# Allegro board Learn.brd (continued)
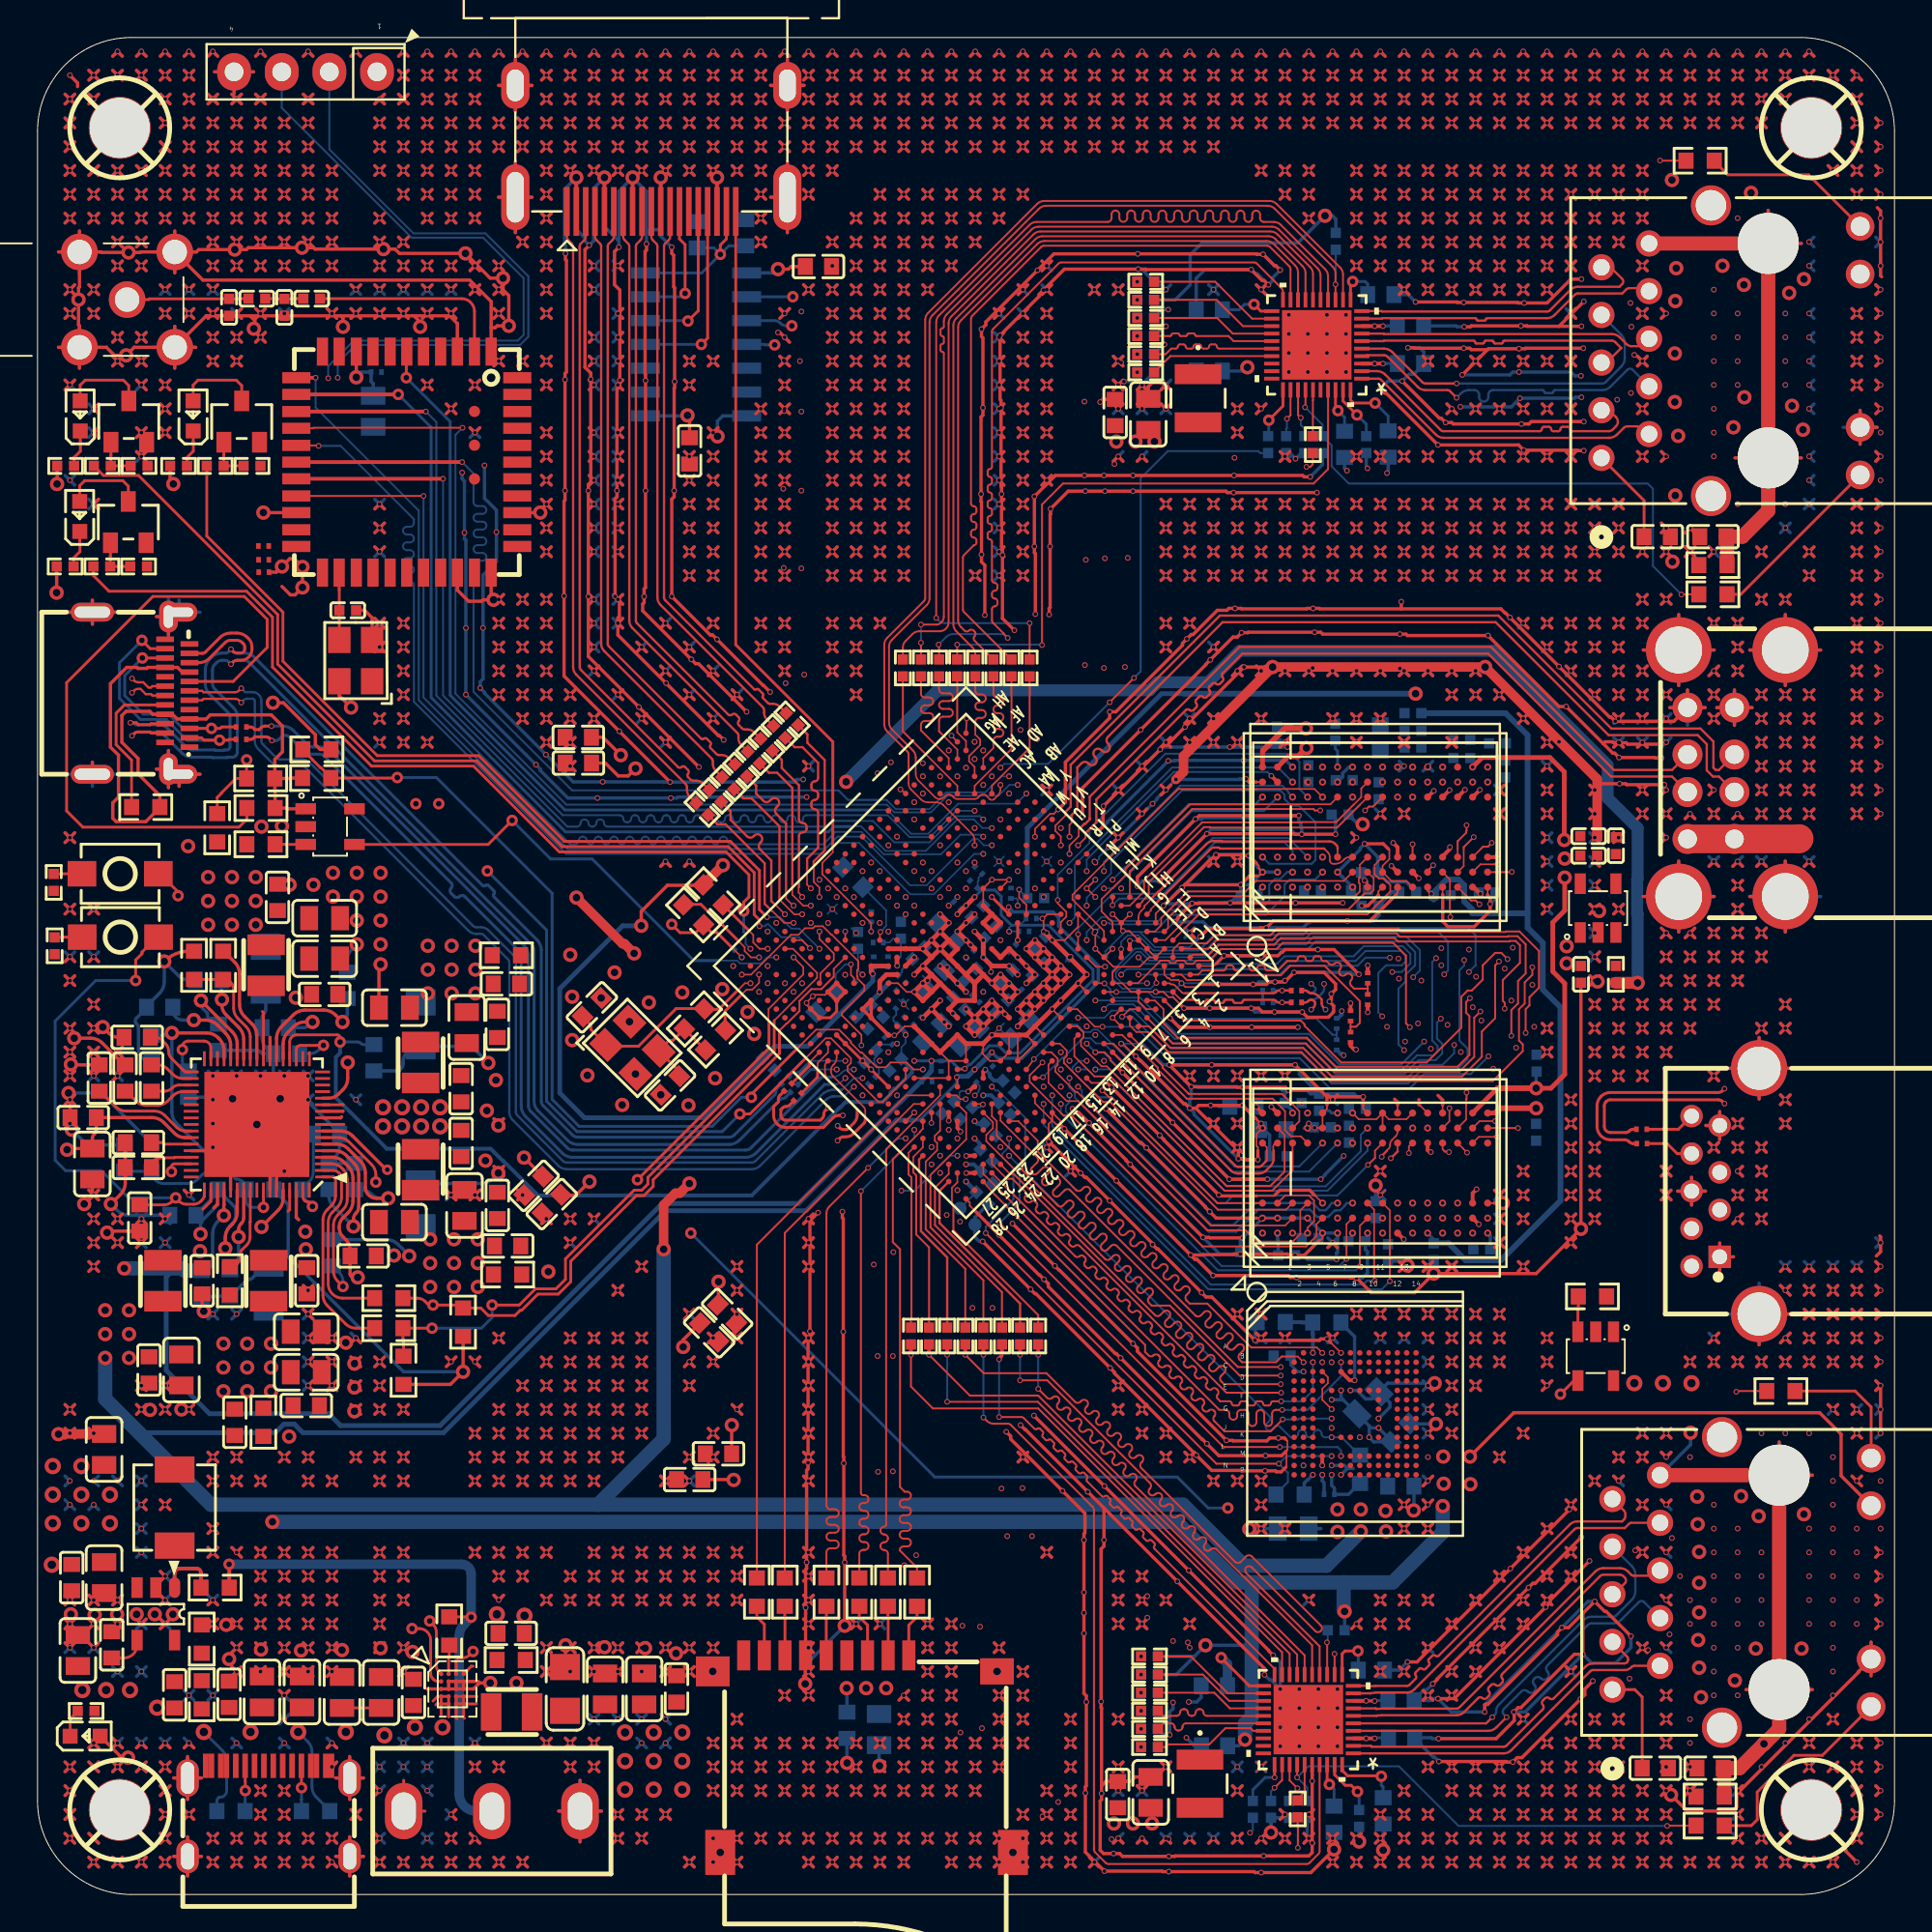
[diagram p0: board, top side]
## Routing (per net, layer and track width the routed paths; a pad name or vN(x,y) marks a point on that pad's centre or on a via; arc(x,y) is an arc through that point) (continued)
; v1(69.03,65.22) 68.78,64.97 ; v1(69.03,65.22) 69.29,65.48 ; v1(81.73,89.35) 81.99,89.61 ; v1(81.73,89.35) 81.99,89.1 ; v1(81.73,89.35) 81.48,89.1 ; v1(81.73,89.35) 81.48,89.61 ; 70.05,70.05 v1(70.3,70.3) ; v1(70.3,70.3) 70.56,70.05 ; v1(70.3,70.3) 70.56,70.56 ; v1(70.3,70.3) 70.05,70.56 ; 11.63,92.91 v1(11.88,93.16) ; v1(11.88,93.16) 11.63,93.42 ; v1(11.88,93.16) 12.14,92.91 ; v1(11.88,93.16) 12.14,93.42 ; v1(33.47,93.16) 33.73,92.91 ; v1(33.47,93.16) 33.73,93.42 ; v1(33.47,93.16) 33.22,93.42 ; v1(33.47,93.16) 33.22,92.91 ; v1(95.7,30.93) 95.96,30.68 ; v1(95.7,30.93) 95.45,31.19 ; v1(95.7,30.93) 95.45,30.68 ; v1(95.7,30.93) 95.96,31.19 ; 35.76,93.42 v1(36.01,93.16) ; v1(36.01,93.16) 36.27,93.42 ; v1(36.01,93.16) 36.27,92.91 ; v1(36.01,93.16) 35.76,92.91 ; 34.49,71.83 v1(34.74,71.57) ; v1(34.74,71.57) 34.49,71.32 ; v1(34.74,71.57) 35,71.32 ; v1(34.74,71.57) 35,71.83 ; v1(84.27,6.8) 84.53,6.55 ; v1(84.27,6.8) 84.02,7.06 ; v1(84.27,6.8) 84.02,6.55 ; v1(84.27,6.8) 84.53,7.06 ; v1(65.22,96.97) 65.48,96.72 ; v1(65.22,96.97) 64.97,96.72 ; v1(65.22,96.97) 64.97,97.23 ; v1(65.22,96.97) 65.48,97.23 ; 17.98,23.06 v1(18.23,23.31) ; v1(18.23,23.31) 18.49,23.57 ; v1(18.23,23.31) 18.49,23.06 ; v1(18.23,23.31) 17.98,23.57 ; v1(1.72,89.35) 1.98,89.1 ; v1(1.72,89.35) 1.47,89.61 ; v1(1.72,89.35) 1.47,89.1 ; v1(1.72,89.35) 1.98,89.61 ; v1(67.76,91.89) 68.02,91.64 ; v1(67.76,91.89) 67.51,91.64 ; v1(67.76,91.89) 68.02,92.15 ; v1(67.76,91.89) 67.51,92.15 ; 39.57,71.32 v1(39.82,71.57) ; v1(39.82,71.57) 40.08,71.83 ; v1(39.82,71.57) 40.08,71.32 ; v1(39.82,71.57) 39.57,71.83 ; v1(60.14,23.31) 60.4,23.06 ; v1(60.14,23.31) 59.89,23.57 ; v1(60.14,23.31) 60.4,23.57 ; v1(60.14,23.31) 59.89,23.06 ; 57.35,15.44 v1(57.6,15.69) ; v1(57.6,15.69) 57.86,15.44 ; v1(57.6,15.69) 57.86,15.95 ; v1(57.6,15.69) 57.35,15.95 ; 85.29,95.96 v1(85.54,95.7) ; v1(85.54,95.7) 85.8,95.45 ; v1(85.54,95.7) 85.29,95.45 ; v1(85.54,95.7) 85.8,95.96 ; 12.9,86.56 v1(13.15,86.81) ; v1(13.15,86.81) 13.41,86.56 ; v1(13.15,86.81) 13.41,87.07 ; v1(13.15,86.81) 12.9,87.07 ; 34.49,75.13 v1(34.74,75.38) ; v1(34.74,75.38) 34.49,75.64 ; v1(34.74,75.38) 35,75.13 ; v1(34.74,75.38) 35,75.64 ; 82.75,4.01 v1(83,4.26) ; v1(83,4.26) 83.26,4.01 ; v1(83,4.26) 83.26,4.52 ; v1(83,4.26) 82.75,4.52 ; v1(80.46,96.97) 80.72,96.72 ; v1(80.46,96.97) 80.21,97.23 ; v1(80.46,96.97) 80.21,96.72 ; v1(80.46,96.97) 80.72,97.23 ; 17.98,71.83 v1(18.23,71.57) 18.49,71.83 ; v1(4.26,1.72) 4.52,1.98 ; v1(4.26,1.72) 4.01,1.98 ; v1(4.26,1.72) 4.01,1.47 ; v1(4.26,1.72) 4.52,1.47 ; 26.87,62.43 v1(27.12,62.68) ; v1(27.12,62.68) 27.38,62.94 ; v1(27.12,62.68) 26.87,62.94 ; v1(27.12,62.68) 27.38,62.43 ; v1(42.36,88.08) 42.62,88.34 ; v1(42.36,88.08) 42.11,87.83 ; v1(42.36,88.08) 42.62,87.83 ; v1(42.36,88.08) 42.11,88.34 ; v1(80.46,16.96) 80.72,16.71 ; v1(80.46,16.96) 80.21,16.71 ; v1(80.46,16.96) 80.72,17.22 ; v1(80.46,16.96) 80.21,17.22 ; 70.05,31.19 v1(70.3,30.93) ; v1(70.3,30.93) 70.56,31.19 ; v1(70.3,30.93) 70.05,30.68 ; v1(70.3,30.93) 70.56,30.68 ; v1(23.31,24.58) 23.57,24.33 ; v1(23.31,24.58) 23.06,24.33 ; v1(23.31,24.58) 23.06,24.84 ; v1(23.31,24.58) 23.57,24.84 ; 77.67,72.59 v1(77.92,72.84) ; v1(77.92,72.84) 77.67,73.1 ; v1(77.92,72.84) 78.18,73.1 ; v1(77.92,72.84) 78.18,72.59 ; 86.56,48.46 v1(86.81,48.71) ; v1(86.81,48.71) 87.07,48.46 ; v1(86.81,48.71) 87.07,48.97 ; v1(86.81,48.71) 86.56,48.97 ; v1(38.55,96.97) 38.81,96.72 ; v1(38.55,96.97) 38.81,97.23 ; v1(38.55,96.97) 38.3,96.72 ; v1(38.55,96.97) 38.3,97.23 ; 51,97.23 v1(51.25,96.97) ; v1(51.25,96.97) 51,96.72 ; v1(51.25,96.97) 51.51,97.23 ; v1(51.25,96.97) 51.51,96.72 ; v1(94.43,60.14) 94.69,60.4 ; v1(94.43,60.14) 94.18,59.89 ; v1(94.43,60.14) 94.18,60.4 ; v1(94.43,60.14) 94.69,59.89 ; v1(9.34,23.31) 9.6,23.06 ; v1(9.34,23.31) 9.09,23.06 ; v1(9.34,23.31) 9.09,23.57 ; v1(9.34,23.31) 9.6,23.57 ; v1(18.23,16.96) 18.49,16.71 ; v1(18.23,16.96) 17.98,17.22 ; v1(18.23,16.96) 18.49,17.22 ; v1(18.23,16.96) 17.98,16.71 ; 38.3,66.75 v1(38.55,66.49) ; v1(38.55,66.49) 38.81,66.24 ; v1(38.55,66.49) 38.81,66.75 ; v1(38.55,66.49) 38.3,66.24 ; v1(41.09,2.99) 41.35,2.74 ; v1(41.09,2.99) 40.84,2.74 ; v1(41.09,2.99) 41.35,3.25 ; v1(41.09,2.99) 40.84,3.25 ; v1(46.17,77.92) 46.43,77.67 ; v1(46.17,77.92) 45.92,77.67 ; v1(46.17,77.92) 46.43,78.18 ; v1(46.17,77.92) 45.92,78.18 ; v1(83,37.28) 83.26,37.54 ; v1(83,37.28) 82.75,37.03 ; v1(83,37.28) 83.26,37.03 ; v1(83,37.28) 82.75,37.54 ; 89.1,59.13 v1(89.35,58.87) 89.1,58.62 ; 5.28,6.55 v1(5.53,6.8) ; v1(5.53,6.8) 5.28,7.06 ; v1(5.53,6.8) 5.79,6.55 ; v1(5.53,6.8) 5.79,7.06 ; 45.92,97.23 v1(46.17,96.97) ; v1(46.17,96.97) 45.92,96.72 ; v1(46.17,96.97) 46.43,97.23 ; v1(46.17,96.97) 46.43,96.72 ; 2.74,52.78 v1(2.99,52.52) ; v1(2.99,52.52) 3.25,52.27 ; v1(2.99,52.52) 3.25,52.78 ; v1(2.99,52.52) 2.74,52.27 ; v1(89.35,94.43) 89.61,94.69 ; v1(89.35,94.43) 89.1,94.69 ; v1(89.35,94.43) 89.61,94.18 ; v1(89.35,94.43) 89.1,94.18 ; 24.33,85.29 v1(24.58,85.54) ; v1(24.58,85.54) 24.33,85.8 ; v1(24.58,85.54) 24.84,85.29 ; v1(24.58,85.54) 24.84,85.8 ; 58.62,80.21 v1(58.87,80.46) 59.13,80.21 ; 94.18,1.98 v1(94.43,1.72) ; v1(94.43,1.72) 94.18,1.47 ; v1(94.43,1.72) 94.69,1.47 ; v1(94.43,1.72) 94.69,1.98 ; v1(72.84,74.11) 73.1,74.37 ; v1(72.84,74.11) 72.59,73.86 ; v1(72.84,74.11) 72.59,74.37 ; v1(72.84,74.11) 73.1,73.86 ; 89.1,50.24 v1(89.35,49.98) ; v1(89.35,49.98) 89.61,50.24 ; v1(89.35,49.98) 89.61,49.73 ; v1(89.35,49.98) 89.1,49.73 ; v1(81.66,20.52) v1(78.51,17.37) 73.53,12.4 v1(73.03,12.4) ; 17.98,13.41 v1(18.23,13.15) ; v1(18.23,13.15) 17.98,12.9 ; v1(18.23,13.15) 18.49,12.9 ; v1(18.23,13.15) 18.49,13.41 ; v1(46.17,85.54) 46.43,85.8 ; v1(46.17,85.54) 45.92,85.8 ; v1(46.17,85.54) 45.92,85.29 ; v1(46.17,85.54) 46.43,85.29 ; 20.52,94.69 v1(20.77,94.43) ; v1(20.77,94.43) 21.03,94.69 ; v1(20.77,94.43) 20.52,94.18 ; v1(20.77,94.43) 21.03,94.18 ; v1(34.74,74.11) 35,74.37 ; v1(34.74,74.11) 34.49,73.86 ; v1(34.74,74.11) 34.49,74.37 ; v1(34.74,74.11) 35,73.86 ; 40.08,97.99 v1(39.82,98.24) 39.57,97.99 ; v1(89.35,95.7) 89.61,95.45 ; v1(89.35,95.7) 89.61,95.96 ; v1(89.35,95.7) 89.1,95.96 ; v1(89.35,95.7) 89.1,95.45 ; 87.48,51.31 U19.11 ; U19.11 87.48,55.09 ; U19.11 89.37,53.2 ; U19.11 85.59,53.2 ; 35.76,70.05 v1(36.01,70.3) ; v1(36.01,70.3) 36.27,70.05 ; v1(36.01,70.3) 36.27,70.56 ; v1(36.01,70.3) 35.76,70.56 ; 97.99,5.79 v1(98.24,5.53) 97.99,5.28 ; v1(37.28,8.07) 37.54,7.82 ; v1(37.28,8.07) 37.03,8.33 ; v1(37.28,8.07) 37.54,8.33 ; v1(37.28,8.07) 37.03,7.82 ; v1(22.04,2.99) 22.3,2.74 ; v1(22.04,2.99) 22.3,3.25 ; v1(22.04,2.99) 21.79,3.25 ; v1(22.04,2.99) 21.79,2.74 ; v1(43.63,75.38) 43.89,75.13 ; v1(43.63,75.38) 43.89,75.64 ; v1(43.63,75.38) 43.38,75.64 ; v1(43.63,75.38) 43.38,75.13 ; v1(93.16,69.03) 93.42,68.78 ; v1(93.16,69.03) 92.91,69.29 ; v1(93.16,69.03) 92.91,68.78 ; v1(93.16,69.03) 93.42,69.29 ; v1(80.46,86.81) 80.72,86.56 ; v1(80.46,86.81) 80.72,87.07 ; v1(80.46,86.81) 80.21,87.07 ; v1(80.46,86.81) 80.21,86.56 ; 48.46,14.68 v1(48.71,14.42) ; v1(48.71,14.42) 48.97,14.17 ; v1(48.71,14.42) 48.46,14.17 ; v1(48.71,14.42) 48.97,14.68 ; 85.29,90.88 v1(85.54,90.62) ; v1(85.54,90.62) 85.8,90.88 ; v1(85.54,90.62) 85.8,90.37 ; v1(85.54,90.62) 85.29,90.37 ; 77.67,6.55 v1(77.92,6.8) ; v1(77.92,6.8) 78.18,7.06 ; v1(77.92,6.8) 78.18,6.55 ; v1(77.92,6.8) 77.67,7.06 ; 34.49,23.06 v1(34.74,23.31) ; v1(34.74,23.31) 35,23.57 ; v1(34.74,23.31) 35,23.06 ; v1(34.74,23.31) 34.49,23.57 ; 91.27,66.34 U19.9 ; U19.9 93.16,64.45 ; U19.9 95.05,66.34 ; U19.9 93.16,68.23 ; U1.4 16.64,3.07 ; U1.4 15.9,2.03 ; U1.4 16.64,0.99 ; U1.4 17.38,2.03 ; 96.72,70.56 v1(96.97,70.3) ; v1(96.97,70.3) 97.23,70.56 ; v1(96.97,70.3) 97.23,70.05 ; v1(96.97,70.3) 96.72,70.05 ; 84.02,5.28 v1(84.27,5.53) ; v1(84.27,5.53) 84.02,5.79 ; v1(84.27,5.53) 84.53,5.79 ; v1(84.27,5.53) 84.53,5.28 ; 39.57,5.28 v1(39.82,5.53) ; v1(39.82,5.53) 40.08,5.28 ; v1(39.82,5.53) 40.08,5.79 ; v1(39.82,5.53) 39.57,5.79 ; 42.11,91.64 v1(42.36,91.89) ; v1(42.36,91.89) 42.62,92.15 ; v1(42.36,91.89) 42.11,92.15 ; v1(42.36,91.89) 42.62,91.64 ; 80.21,1.47 v1(80.46,1.72) ; v1(80.46,1.72) 80.72,1.47 ; v1(80.46,1.72) 80.21,1.98 ; v1(80.46,1.72) 80.72,1.98 ; 85.29,46.43 v1(85.54,46.17) ; v1(85.54,46.17) 85.8,45.92 ; v1(85.54,46.17) 85.29,45.92 ; v1(85.54,46.17) 85.8,46.43 ; v1(88.08,96.97) 88.34,96.72 ; v1(88.08,96.97) 88.34,97.23 ; v1(88.08,96.97) 87.83,96.72 ; v1(88.08,96.97) 87.83,97.23 ; v1(86.81,9.34) 87.07,9.09 ; v1(86.81,9.34) 86.56,9.6 ; v1(86.81,9.34) 87.07,9.6 ; v1(86.81,9.34) 86.56,9.09 ; v1(44.9,89.35) 45.16,89.61 ; v1(44.9,89.35) 44.65,89.61 ; v1(44.9,89.35) 44.65,89.1 ; v1(44.9,89.35) 45.16,89.1 ; v1(23.31,91.89) 23.57,91.64 ; v1(23.31,91.89) 23.06,91.64 ; v1(23.31,91.89) 23.06,92.15 ; v1(23.31,91.89) 23.57,92.15 ; v1(72.84,72.84) 73.1,73.1 ; v1(72.84,72.84) 73.1,72.59 ; v1(72.84,72.84) 72.59,73.1 ; v1(72.84,72.84) 72.59,72.59 ; 77.67,29.41 v1(77.92,29.66) ; v1(77.92,29.66) 78.18,29.92 ; v1(77.92,29.66) 78.18,29.41 ; v1(77.92,29.66) 77.67,29.92 ; v1(39.82,75.38) 40.08,75.64 ; v1(39.82,75.38) 40.08,75.13 ; v1(39.82,75.38) 39.57,75.64 ; v1(39.82,75.38) 39.57,75.13 ; 91.64,68.78 v1(91.89,69.03) ; v1(91.89,69.03) 92.15,69.29 ; v1(91.89,69.03) 91.64,69.29 ; v1(91.89,69.03) 92.15,68.78 ; v1(36.01,65.22) 36.27,64.97 ; v1(36.01,65.22) 35.76,65.48 ; v1(36.01,65.22) 35.76,64.97 ; 15.44,14.17 v1(15.69,14.42) ; v1(15.69,14.42) 15.95,14.68 ; v1(15.69,14.42) 15.44,14.68 ; v1(15.69,14.42) 15.95,14.17 ; 52.27,82.75 v1(52.52,83) ; v1(52.52,83) 52.78,83.26 ; v1(52.52,83) 52.78,82.75 ; v1(52.52,83) 52.27,83.26 ; 33.22,12.9 v1(33.47,13.15) ; v1(33.47,13.15) 33.73,13.41 ; v1(33.47,13.15) 33.22,13.41 ; v1(33.47,13.15) 33.73,12.9 ; 31.95,13.41 v1(32.2,13.15) ; v1(32.2,13.15) 32.46,12.9 ; v1(32.2,13.15) 31.95,12.9 ; v1(32.2,13.15) 32.46,13.41 ; v1(77.92,14.42) 78.18,14.17 ; v1(77.92,14.42) 78.18,14.68 ; v1(77.92,14.42) 77.67,14.68 ; v1(77.92,14.42) 77.67,14.17 ; 42.11,2.74 v1(42.36,2.99) ; v1(42.36,2.99) 42.62,2.74 ; v1(42.36,2.99) 42.62,3.25 ; v1(42.36,2.99) 42.11,3.25 ; 80.21,95.96 v1(80.46,95.7) ; v1(80.46,95.7) 80.21,95.45 ; v1(80.46,95.7) 80.72,95.96 ; v1(80.46,95.7) 80.72,95.45 ; 84.53,61.16 v1(84.27,61.41) 84.02,61.16 ; v1(61.41,96.97) 61.67,97.23 ; v1(61.41,96.97) 61.67,96.72 ; v1(61.41,96.97) 61.16,96.72 ; v1(61.41,96.97) 61.16,97.23 ; 40.84,26.87 v1(41.09,27.12) ; v1(41.09,27.12) 41.35,26.87 ; v1(41.09,27.12) 40.84,27.38 ; v1(41.09,27.12) 41.35,27.38 ; 40.84,28.65 v1(41.09,28.39) ; v1(41.09,28.39) 40.84,28.14 ; v1(41.09,28.39) 41.35,28.14 ; v1(41.09,28.39) 41.35,28.65 ; 19.25,12.9 v1(19.5,13.15) ; v1(19.5,13.15) 19.76,12.9 ; v1(19.5,13.15) 19.76,13.41 ; v1(19.5,13.15) 19.25,13.41 ; v1(84.27,23.31) 84.53,23.06 ; v1(84.27,23.31) 84.53,23.57 ; v1(84.27,23.31) 84.02,23.57 ; v1(84.27,23.31) 84.02,23.06 ; 48.46,90.88 v1(48.71,90.62) ; v1(48.71,90.62) 48.97,90.37 ; v1(48.71,90.62) 48.97,90.88 ; v1(48.71,90.62) 48.46,90.37 ; v1(23.31,28.39) 23.57,28.65 ; v1(23.31,28.39) 23.57,28.14 ; v1(23.31,28.39) 23.06,28.65 ; 49.73,97.99 v1(49.98,98.24) 50.24,97.99 ; v1(91.89,94.43) 92.15,94.69 ; v1(91.89,94.43) 91.64,94.18 ; v1(91.89,94.43) 91.64,94.69 ; v1(91.89,94.43) 92.15,94.18 ; v1(6.8,27.12) 7.06,27.38 ; v1(6.8,27.12) 6.55,26.87 ; v1(6.8,27.12) 7.06,26.87 ; v1(6.8,27.12) 6.55,27.38 ; v1(46.17,10.61) 46.43,10.36 ; v1(46.17,10.61) 45.92,10.36 ; v1(46.17,10.61) 46.43,10.87 ; 57.35,85.8 v1(57.6,85.54) ; v1(57.6,85.54) 57.86,85.29 ; v1(57.6,85.54) 57.86,85.8 ; v1(57.6,85.54) 57.35,85.29 ; 52.27,10.36 v1(52.52,10.61) ; v1(52.52,10.61) 52.78,10.87 ; v1(52.52,10.61) 52.27,10.87 ; v1(52.52,10.61) 52.78,10.36 ; 90.37,37.03 v1(90.62,37.28) ; v1(90.62,37.28) 90.88,37.54 ; v1(90.62,37.28) 90.88,37.03 ; v1(90.62,37.28) 90.37,37.54 ; v1(18.23,95.7) 18.49,95.96 ; v1(18.23,95.7) 17.98,95.45 ; v1(18.23,95.7) 18.49,95.45 ; 17.98,61.67 v1(18.23,61.41) ; v1(18.23,61.41) 18.49,61.67 ; v1(18.23,61.41) 18.49,61.16 ; 83.26,56.59 v1(83,56.33) 83.26,56.08 ; v1(41.09,94.43) 41.35,94.18 ; v1(41.09,94.43) 41.35,94.69 ; v1(41.09,94.43) 40.84,94.18 ; v1(41.09,94.43) 40.84,94.69 ; v1(2.99,89.35) 3.25,89.1 ; v1(2.99,89.35) 3.25,89.61 ; v1(2.99,89.35) 2.74,89.61 ; v1(2.99,89.35) 2.74,89.1 ; v1(80.46,2.99) 80.72,2.74 ; v1(80.46,2.99) 80.72,3.25 ; v1(80.46,2.99) 80.21,3.25 ; v1(80.46,2.99) 80.21,2.74 ; v1(65.22,72.84) 65.48,73.1 ; v1(65.22,72.84) 65.48,72.59 ; v1(65.22,72.84) 64.97,72.59 ; v1(65.22,72.84) 64.97,73.1 ; 34.49,94.18 v1(34.74,94.43) ; v1(34.74,94.43) 34.49,94.69 ; v1(34.74,94.43) 35,94.69 ; v1(34.74,94.43) 35,94.18 ; 48.46,93.42 v1(48.71,93.16) ; v1(48.71,93.16) 48.97,93.42 ; v1(48.71,93.16) 48.97,92.91 ; v1(48.71,93.16) 48.46,92.91 ; v1(28.39,61.41) 28.65,61.16 ; v1(28.39,61.41) 28.14,61.67 ; v1(28.39,61.41) 28.14,61.16 ; v1(28.39,61.41) 28.65,61.67 ; 84.02,95.45 v1(84.27,95.7) ; v1(84.27,95.7) 84.02,95.96 ; v1(84.27,95.7) 84.53,95.96 ; v1(84.27,95.7) 84.53,95.45 ; 67.51,94.18 v1(67.76,94.43) ; v1(67.76,94.43) 68.02,94.18 ; v1(67.76,94.43) 67.51,94.69 ; v1(67.76,94.43) 68.02,94.69 ; v1(8.07,91.89) 8.33,92.15 ; v1(8.07,91.89) 7.82,92.15 ; v1(8.07,91.89) 8.33,91.64 ; v1(8.07,91.89) 7.82,91.64 ; v1(65.61,85.8) 65.38,86.03 65.27,86.03 v1(64.69,86.61) 59.09,86.61 59.07,86.64 v1(58.67,86.64) 54.74,86.64 v1(53.62,85.52) 53.39,85.29 53.39,85.19 v1(51.31,83.11) 51.31,79.69 51.36,79.64 v1(51.36,79.25) 51.36,75.07 51.38,75.04 v1(51.38,74.65) 51.38,71.84 51.44,71.79 v1(51.44,71.4) 51.44,68.02 v1(52.07,67.39) ; v1(5.53,96.97) 5.79,96.72 ; v1(5.53,96.97) 5.28,96.72 ; v1(5.53,96.97) 5.79,97.23 ; v1(5.53,96.97) 5.28,97.23 ; v1(91.89,62.68) 92.15,62.94 ; v1(91.89,62.68) 91.64,62.43 ; v1(91.89,62.68) 91.64,62.94 ; v1(91.89,62.68) 92.15,62.43 ; 81.48,3.25 v1(81.73,2.99) ; v1(81.73,2.99) 81.99,2.74 ; v1(81.73,2.99) 81.48,2.74 ; v1(81.73,2.99) 81.99,3.25 ; 31.19,80.21 v1(30.93,80.46) 31.19,80.72 ; 57.35,14.17 v1(57.6,14.42) ; v1(57.6,14.42) 57.86,14.68 ; v1(57.6,14.42) 57.86,14.17 ; v1(57.6,14.42) 57.35,14.68 ; v1(96.97,61.41) 97.23,61.67 ; v1(96.97,61.41) 97.23,61.16 ; v1(96.97,61.41) 96.72,61.16 ; v1(96.97,61.41) 96.72,61.67 ; v1(6.8,80.46) 7.06,80.21 ; v1(6.8,80.46) 6.55,80.21 ; v1(6.8,80.46) 7.06,80.72 ; v1(6.8,80.46) 6.55,80.72 ; 53.54,17.98 v1(53.79,18.23) ; v1(53.79,18.23) 54.05,18.49 ; v1(53.79,18.23) 53.54,18.49 ; v1(53.79,18.23) 54.05,17.98 ; 6.55,6.55 v1(6.8,6.8) ; v1(6.8,6.8) 7.06,6.55 ; v1(6.8,6.8) 6.55,7.06 ; v1(6.8,6.8) 7.06,7.06 ; 30.68,16.71 v1(30.93,16.96) ; v1(30.93,16.96) 31.19,17.22 ; v1(30.93,16.96) 31.19,16.71 ; v1(30.93,16.96) 30.68,17.22 ; 47.19,85.8 v1(47.44,85.54) ; v1(47.44,85.54) 47.7,85.8 ; v1(47.44,85.54) 47.7,85.29 ; v1(47.44,85.54) 47.19,85.29 ; 53.54,4.01 v1(53.79,4.26) ; v1(53.79,4.26) 54.05,4.01 ; v1(53.79,4.26) 54.05,4.52 ; v1(53.79,4.26) 53.54,4.52 ; v1(27.12,22.04) 27.38,21.79 ; v1(27.12,22.04) 26.87,22.3 ; v1(27.12,22.04) 26.87,21.79 ; v1(27.12,22.04) 27.38,22.3 ; v1(47.44,95.7) 47.7,95.96 ; v1(47.44,95.7) 47.19,95.45 ; v1(47.44,95.7) 47.7,95.45 ; v1(47.44,95.7) 47.19,95.96 ; 77.67,3.25 v1(77.92,2.99) ; v1(77.92,2.99) 78.18,3.25 ; v1(77.92,2.99) 77.67,2.74 ; v1(77.92,2.99) 78.18,2.74 ; v1(60.14,95.7) 60.4,95.45 ; v1(60.14,95.7) 60.4,95.96 ; v1(60.14,95.7) 59.89,95.45 ; v1(60.14,95.7) 59.89,95.96 ; 80.21,91.64 v1(80.46,91.89) ; v1(80.46,91.89) 80.72,92.15 ; v1(80.46,91.89) 80.72,91.64 ; v1(80.46,91.89) 80.21,92.15 ; 64.97,91.64 v1(65.22,91.89) ; v1(65.22,91.89) 65.48,92.15 ; v1(65.22,91.89) 65.48,91.64 ; v1(65.22,91.89) 64.97,92.15 ; v1(18.23,27.12) 18.49,26.87 ; v1(18.23,27.12) 17.98,26.87 ; v1(18.23,27.12) 18.49,27.38 ; v1(18.23,27.12) 17.98,27.38 ; 96.72,58.62 v1(96.97,58.87) ; v1(96.97,58.87) 96.72,59.13 ; v1(96.97,58.87) 97.23,59.13 ; v1(96.97,58.87) 97.23,58.62 ; v1(27.12,27.12) 27.38,26.87 ; v1(27.12,27.12) 26.87,27.38 ; v1(27.12,27.12) 26.87,26.87 ; v1(27.12,27.12) 27.38,27.38 ; v1(24.58,84.27) 24.84,84.53 ; v1(24.58,84.27) 24.84,84.02 ; v1(24.58,84.27) 24.33,84.02 ; v1(24.58,84.27) 24.33,84.53 ; v1(71.57,74.11) 71.83,74.37 ; v1(71.57,74.11) 71.32,74.37 ; v1(71.57,74.11) 71.32,73.86 ; v1(71.57,74.11) 71.83,73.86 ; v1(81.73,91.89) 81.99,92.15 ; v1(81.73,91.89) 81.99,91.64 ; v1(81.73,91.89) 81.48,91.64 ; v1(81.73,91.89) 81.48,92.15 ; 16.71,29.41 v1(16.96,29.66) 17.22,29.41 ; v1(49.98,94.43) 50.24,94.69 ; v1(49.98,94.43) 50.24,94.18 ; v1(49.98,94.43) 49.73,94.18 ; v1(49.98,94.43) 49.73,94.69 ; 12.9,91.64 v1(13.15,91.89) ; v1(13.15,91.89) 12.9,92.15 ; v1(13.15,91.89) 13.41,92.15 ; v1(13.15,91.89) 13.41,91.64 ; 48.97,97.99 v1(48.71,98.24) 48.46,97.99 ; 11.63,95.96 v1(11.88,95.7) ; v1(11.88,95.7) 12.14,95.45 ; v1(11.88,95.7) 11.63,95.45 ; v1(11.88,95.7) 12.14,95.96 ; 49.73,96.72 v1(49.98,96.97) ; v1(49.98,96.97) 49.73,97.23 ; v1(49.98,96.97) 50.24,97.23 ; v1(49.98,96.97) 50.24,96.72 ; 19.25,66.24 v1(19.5,66.49) ; v1(19.5,66.49) 19.25,66.75 ; v1(19.5,66.49) 19.76,66.75 ; v1(19.5,66.49) 19.76,66.24 ; 23.06,89.61 v1(23.31,89.35) ; v1(23.31,89.35) 23.57,89.61 ; v1(23.31,89.35) 23.06,89.1 ; v1(23.31,89.35) 23.57,89.1 ; 52.27,90.88 v1(52.52,90.62) ; v1(52.52,90.62) 52.78,90.88 ; v1(52.52,90.62) 52.27,90.37 ; v1(52.52,90.62) 52.78,90.37 ; 2.74,96.72 v1(2.99,96.97) ; v1(2.99,96.97) 2.74,97.23 ; v1(2.99,96.97) 3.25,96.72 ; v1(2.99,96.97) 3.25,97.23 ; v1(76.65,86.81) 76.91,87.07 ; v1(76.65,86.81) 76.91,86.56 ; v1(76.65,86.81) 76.4,86.56 ; v1(76.65,86.81) 76.4,87.07 ; 75.13,73.1 v1(75.38,72.84) ; v1(75.38,72.84) 75.64,73.1 ; v1(75.38,72.84) 75.13,72.59 ; v1(75.38,72.84) 75.64,72.59 ; v1(27.12,13.15) 27.38,13.41 ; v1(27.12,13.15) 26.87,13.41 ; v1(27.12,13.15) 27.38,12.9 ; v1(27.12,13.15) 26.87,12.9 ; v1(91.89,58.87) 92.15,59.13 ; v1(91.89,58.87) 91.64,58.62 ; v1(91.89,58.87) 92.15,58.62 ; v1(91.89,58.87) 91.64,59.13 ; 3.25,49.73 v1(2.99,49.98) 2.74,49.73 ; 19.25,1.98 v1(19.5,1.72) ; v1(19.5,1.72) 19.76,1.98 ; v1(19.5,1.72) 19.25,1.47 ; v1(19.5,1.72) 19.76,1.47 ; v1(23.31,90.62) 23.57,90.88 ; v1(23.31,90.62) 23.06,90.37 ; v1(23.31,90.62) 23.06,90.88 ; v1(23.31,90.62) 23.57,90.37 ; v1(95.7,91.89) 95.96,91.64 ; v1(95.7,91.89) 95.45,92.15 ; v1(95.7,91.89) 95.96,92.15 ; v1(95.7,91.89) 95.45,91.64 ; 53.54,78.94 v1(53.79,79.19) ; v1(53.79,79.19) 54.05,78.94 ; v1(53.79,79.19) 54.05,79.45 ; v1(53.79,79.19) 53.54,79.45 ; v1(47.44,89.35) 47.7,89.1 ; v1(47.44,89.35) 47.19,89.1 ; v1(47.44,89.35) 47.7,89.61 ; v1(47.44,89.35) 47.19,89.61 ; v1(61.41,95.7) 61.67,95.96 ; v1(61.41,95.7) 61.67,95.45 ; v1(61.41,95.7) 61.16,95.96 ; v1(61.41,95.7) 61.16,95.45 ; 81.48,1.47 v1(81.73,1.72) ; v1(81.73,1.72) 81.48,1.98 ; v1(81.73,1.72) 81.99,1.47 ; v1(81.73,1.72) 81.99,1.98 ; 81.48,94.18 v1(81.73,94.43) ; v1(81.73,94.43) 81.48,94.69 ; v1(81.73,94.43) 81.99,94.69 ; v1(81.73,94.43) 81.99,94.18 ; 14.17,11.63 v1(14.42,11.88) ; v1(14.42,11.88) 14.68,12.14 ; v1(14.42,11.88) 14.17,12.14 ; v1(14.42,11.88) 14.68,11.63 ; v1(74.11,2.99) 74.37,3.25 ; v1(74.11,2.99) 73.86,2.74 ; v1(74.11,2.99) 73.86,3.25 ; v1(74.11,2.99) 74.37,2.74 ; 52.27,79.45 v1(52.52,79.19) ; v1(52.52,79.19) 52.78,78.94 ; v1(52.52,79.19) 52.78,79.45 ; v1(52.52,79.19) 52.27,78.94 ; v1(43.63,95.7) 43.89,95.45 ; v1(43.63,95.7) 43.38,95.45 ; v1(43.63,95.7) 43.38,95.96 ; v1(43.63,95.7) 43.89,95.96 ; U17.C5 2.92,68.99 ; U17.C5 2.92,67.71 ; U17.C5 4.22,68.35 ; U17.C5 1.63,68.35 ; 8.33,97.99 v1(8.07,98.24) 7.82,97.99 ; v1(94.43,57.6) 94.69,57.86 ; v1(94.43,57.6) 94.18,57.86 ; v1(94.43,57.6) 94.69,57.35 ; v1(94.43,57.6) 94.18,57.35 ; 10.36,14.68 v1(10.61,14.42) ; v1(10.61,14.42) 10.87,14.68 ; v1(10.61,14.42) 10.87,14.17 ; v1(10.61,14.42) 10.36,14.17 ; 26.87,97.23 v1(27.12,96.97) ; v1(27.12,96.97) 26.87,96.72 ; v1(27.12,96.97) 27.38,97.23 ; v1(27.12,96.97) 27.38,96.72 ; v1(47.44,2.99) 47.7,3.25 ; v1(47.44,2.99) 47.19,2.74 ; v1(47.44,2.99) 47.7,2.74 ; v1(47.44,2.99) 47.19,3.25 ; 75.13,78.94 v1(75.38,79.19) ; v1(75.38,79.19) 75.13,79.45 ; v1(75.38,79.19) 75.64,78.94 ; v1(61.41,14.42) 61.67,14.68 ; v1(61.41,14.42) 61.67,14.17 ; v1(61.41,14.42) 61.16,14.17 ; v1(61.41,14.42) 61.16,14.68 ; 76.4,63.7 v1(76.65,63.95) ; v1(76.65,63.95) 76.91,63.7 ; v1(76.65,63.95) 76.4,64.21 ; v1(76.65,63.95) 76.91,64.21 ; v1(9.34,84.27) 9.6,84.02 ; v1(9.34,84.27) 9.09,84.02 ; v1(9.34,84.27) 9.09,84.53 ; v1(9.34,84.27) 9.6,84.53 ; 63.7,61.67 v1(63.95,61.41) ; v1(63.95,61.41) 